# KiCad board poly_kb_molecule_7x5_wave_left.kicad_pcb (continued)
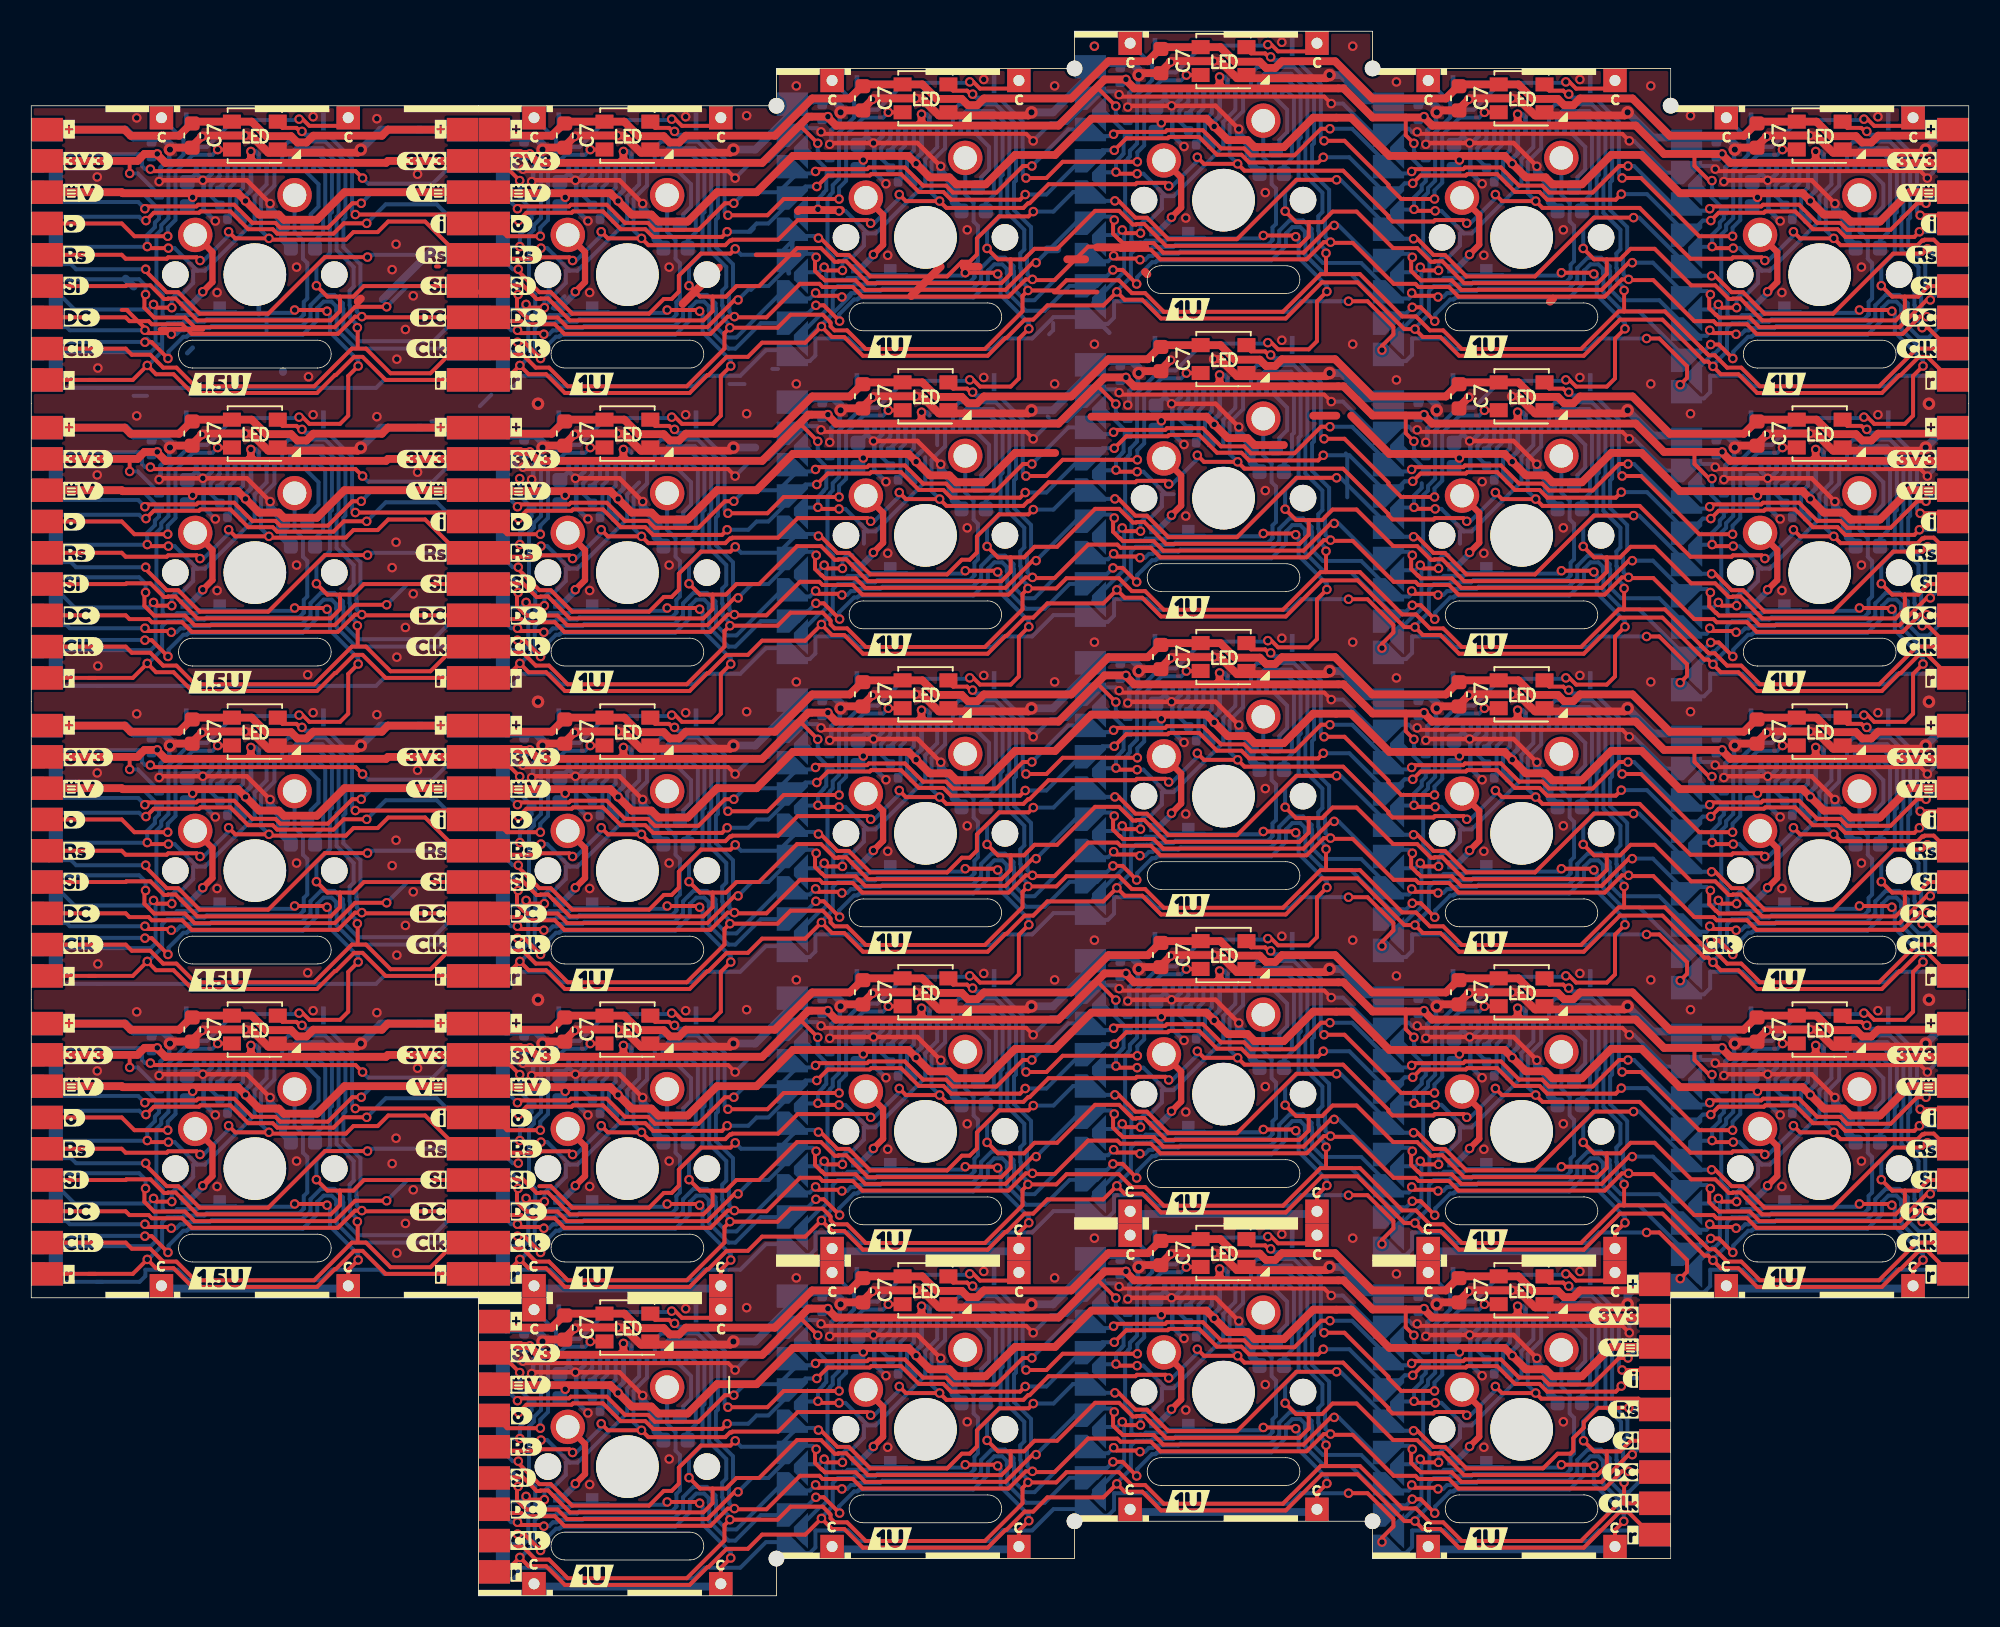
[diagram p0: board, top side]
## Placement (name value [footprint] x y rotation side) (continued)
J4#5  EastFront  [AtomConnect2]  103.76 11.91 270 top
J4#6  EastFront  [AtomConnect2]  122.81 85.72 270 top
J4#7  EastFront  [AtomConnect2]  27.56 47.63 270 top
J4#8  EastFront  [AtomConnect2]  27.56 28.58 270 top
J4#9  EastFront  [AtomConnect2]  27.56 85.73 270 top
J5  WestBack  [AtomConnectCS]  29.59 85.72 270 bottom
J5#2  WestBack  [AtomConnectCS]  1.02 28.58 270 bottom
J5#3  WestBack  [AtomConnectCS]  48.64 87.36 270 bottom
J5#4  WestBack  [AtomConnectCS]  67.69 89.74 270 bottom
J5#5  WestBack  [AtomConnectCS]  1.02 66.68 270 bottom
J5#6  WestBack  [AtomConnectCS]  105.79 84.97 270 bottom
J5#7  WestBack  [AtomConnectCS]  86.74 87.36 270 bottom
J5#8  WestBack  [AtomConnectCS]  67.69 13.54 270 bottom
J5#9  WestBack  [AtomConnectCS]  48.64 30.21 270 bottom
J5#10  WestBack  [AtomConnectCS]  48.64 68.31 270 bottom
J5#11  WestBack  [AtomConnectCS]  67.69 32.59 270 bottom
J5#12  WestBack  [AtomConnectCS]  29.59 47.62 270 bottom
J5#13  WestBack  [AtomConnectCS]  67.69 51.64 270 bottom
J5#14  WestBack  [AtomConnectCS]  86.74 68.31 270 bottom
J5#15  WestBack  [AtomConnectCS]  1.02 85.73 270 bottom
J5#16  WestBack  [AtomConnectCS]  105.79 27.83 270 bottom
J5#17  WestBack  [AtomConnectCS]  29.59 66.67 270 bottom
J5#18  WestBack  [AtomConnectCS]  29.59 9.52 270 bottom
J5#19  WestBack  [AtomConnectCS]  86.74 49.26 270 bottom
J5#20  WestBack  [AtomConnectCS]  86.74 30.21 270 bottom
J5#21  WestBack  [AtomConnectCS]  105.79 46.88 270 bottom
J5#22  WestBack  [AtomConnectCS]  29.59 28.58 270 bottom
J5#23  WestBack  [AtomConnectCS]  48.64 11.16 270 bottom
J5#24  WestBack  [AtomConnectCS]  1.02 47.63 270 bottom
J5#25  WestBack  [AtomConnectCS]  48.64 49.26 270 bottom
J5#26  WestBack  [AtomConnectCS]  86.74 11.16 270 bottom
J5#27  WestBack  [AtomConnectCS]  105.79 65.92 270 bottom
J5#28  WestBack  [AtomConnectCS]  67.69 70.69 270 bottom
J6  EastBack  [AtomConnect2]  27.56 47.63 270 bottom
J6#2  EastBack  [AtomConnect2]  27.56 85.73 270 bottom
J6#3  EastBack  [AtomConnect2]  122.81 85.72 270 bottom
J6#4  EastBack  [AtomConnect2]  27.56 28.58 270 bottom
J6#5  EastBack  [AtomConnect2]  27.56 66.68 270 bottom
J6#6  EastBack  [AtomConnect2]  122.81 28.58 270 bottom
J6#7  EastBack  [AtomConnect2]  122.81 47.62 270 bottom
J6#8  EastBack  [AtomConnect2]  103.76 11.91 270 bottom
J6#9  EastBack  [AtomConnect2]  122.81 66.67 270 bottom
J7  South  [TestPoin_1.5x1.5mm_Drill0.7mm]  51.18 3.14 0 top
J7#2  South  [TestPoin_1.5x1.5mm_Drill0.7mm]  108.33 19.81 0 top
J7#3  South  [TestPoin_1.5x1.5mm_Drill0.7mm]  70.23 5.52 0 top
J7#4  South  [TestPoin_1.5x1.5mm_Drill0.7mm]  8.32 19.81 0 top
J7#5  South  [TestPoin_1.5x1.5mm_Drill0.7mm]  32.13 0.76 0 top
J7#6  South  [TestPoin_1.5x1.5mm_Drill0.7mm]  70.23 24.57 0 top
J7#7  South  [TestPoin_1.5x1.5mm_Drill0.7mm]  89.28 3.14 0 top
J7#8  South  [TestPoin_1.5x1.5mm_Drill0.7mm]  89.28 22.19 0 top
J7#9  South  [TestPoin_1.5x1.5mm_Drill0.7mm]  32.13 19.81 0 top
J7#10  South  [TestPoin_1.5x1.5mm_Drill0.7mm]  51.18 22.19 0 top
J8  North2  [TestPoin_1.5x1.5mm_Drill0.7mm]  32.13 94.49 0 top
J8#2  North2  [TestPoin_1.5x1.5mm_Drill0.7mm]  8.32 94.49 0 top
J8#3  North2  [TestPoin_1.5x1.5mm_Drill0.7mm]  108.33 94.49 0 top
J8#4  North2  [TestPoin_1.5x1.5mm_Drill0.7mm]  51.18 20.67 0 top
J8#5  North2  [TestPoin_1.5x1.5mm_Drill0.7mm]  70.23 99.25 0 top
J8#6  North2  [TestPoin_1.5x1.5mm_Drill0.7mm]  32.13 18.29 0 top
J8#7  North2  [TestPoin_1.5x1.5mm_Drill0.7mm]  89.28 20.67 0 top
J8#8  North2  [TestPoin_1.5x1.5mm_Drill0.7mm]  70.23 23.05 0 top
J8#9  North2  [TestPoin_1.5x1.5mm_Drill0.7mm]  89.28 96.87 0 top
J8#10  North2  [TestPoin_1.5x1.5mm_Drill0.7mm]  51.18 96.87 0 top
J9  South2  [TestPoin_1.5x1.5mm_Drill0.7mm]  44.07 19.81 0 top
J9#2  South2  [TestPoin_1.5x1.5mm_Drill0.7mm]  101.22 22.19 0 top
J9#3  South2  [TestPoin_1.5x1.5mm_Drill0.7mm]  20.26 19.81 0 top
J9#4  South2  [TestPoin_1.5x1.5mm_Drill0.7mm]  120.27 19.81 0 top
J9#5  South2  [TestPoin_1.5x1.5mm_Drill0.7mm]  63.12 3.14 0 top
J9#6  South2  [TestPoin_1.5x1.5mm_Drill0.7mm]  101.22 3.14 0 top
J9#7  South2  [TestPoin_1.5x1.5mm_Drill0.7mm]  82.17 24.57 0 top
J9#8  South2  [TestPoin_1.5x1.5mm_Drill0.7mm]  82.17 5.52 0 top
J9#9  South2  [TestPoin_1.5x1.5mm_Drill0.7mm]  63.12 22.19 0 top
J9#10  South2  [TestPoin_1.5x1.5mm_Drill0.7mm]  44.07 0.76 0 top
kibuzzard-61EFA8F1  G***  [kibuzzard-61EFA8F1]  120.5 41.63 0 top
kibuzzard-61EFA8F1#2  G***  [kibuzzard-61EFA8F1]  25.25 60.68 0 top
kibuzzard-61EFA8F1#3  G***  [kibuzzard-61EFA8F1]  101.45 5.91 0 top
kibuzzard-61EFA8F1#4  G***  [kibuzzard-61EFA8F1]  25.25 41.63 0 top
kibuzzard-61EFA8F1#5  G***  [kibuzzard-61EFA8F1]  120.5 79.73 0 top
kibuzzard-61EFA8F1#6  G***  [kibuzzard-61EFA8F1]  25.25 79.73 0 top
kibuzzard-61EFA8F1#7  G***  [kibuzzard-61EFA8F1]  25.25 22.58 0 top
kibuzzard-61EFA8F1#8  G***  [kibuzzard-61EFA8F1]  120.5 60.68 0 top
kibuzzard-61EFA8F1#9  G***  [kibuzzard-61EFA8F1]  120.5 22.58 0 top
kibuzzard-61EFAA6D  G***  [kibuzzard-61EFAA6D]  120.8 28.58 0 top
kibuzzard-61EFAA6D#2  G***  [kibuzzard-61EFAA6D]  101.75 11.91 0 top
kibuzzard-61EFAA6D#3  G***  [kibuzzard-61EFAA6D]  25.55 47.63 0 top
kibuzzard-61EFAA6D#4  G***  [kibuzzard-61EFAA6D]  25.55 66.68 0 top
kibuzzard-61EFAA6D#5  G***  [kibuzzard-61EFAA6D]  120.8 85.72 0 top
kibuzzard-61EFAA6D#6  G***  [kibuzzard-61EFAA6D]  120.8 47.62 0 top
kibuzzard-61EFAA6D#7  G***  [kibuzzard-61EFAA6D]  25.55 28.58 0 top
kibuzzard-61EFAA6D#8  G***  [kibuzzard-61EFAA6D]  120.8 66.67 0 top
kibuzzard-61EFAA6D#9  G***  [kibuzzard-61EFAA6D]  25.55 85.73 0 top
kibuzzard-61EFABBF  G***  [kibuzzard-61EFABBF]  120.6 62.66 0 top
kibuzzard-61EFABBF#2  G***  [kibuzzard-61EFABBF]  120.6 81.71 0 top
kibuzzard-61EFABBF#3  G***  [kibuzzard-61EFABBF]  25.35 43.61 0 top
kibuzzard-61EFABBF#4  G***  [kibuzzard-61EFABBF]  25.35 81.71 0 top
kibuzzard-61EFABBF#5  G***  [kibuzzard-61EFABBF]  25.35 24.56 0 top
kibuzzard-61EFABBF#6  G***  [kibuzzard-61EFABBF]  120.6 43.61 0 top
kibuzzard-61EFABBF#7  G***  [kibuzzard-61EFABBF]  25.35 62.66 0 top
kibuzzard-61EFABBF#8  G***  [kibuzzard-61EFABBF]  101.55 7.89 0 top
kibuzzard-61EFABBF#9  G***  [kibuzzard-61EFABBF]  120.6 24.56 0 top
kibuzzard-61EFACF9  G***  [kibuzzard-61EFACF9]  24.74 32.54 0 top
kibuzzard-61EFACF9#2  G***  [kibuzzard-61EFACF9]  119.99 32.54 0 top
kibuzzard-61EFACF9#3  G***  [kibuzzard-61EFACF9]  24.74 70.64 0 top
kibuzzard-61EFACF9#4  G***  [kibuzzard-61EFACF9]  100.94 15.87 0 top
kibuzzard-61EFACF9#5  G***  [kibuzzard-61EFACF9]  119.99 51.59 0 top
kibuzzard-61EFACF9#6  G***  [kibuzzard-61EFACF9]  24.74 89.69 0 top
kibuzzard-61EFACF9#7  G***  [kibuzzard-61EFACF9]  24.74 51.59 0 top
kibuzzard-61EFACF9#8  G***  [kibuzzard-61EFACF9]  119.99 70.64 0 top
kibuzzard-61EFACF9#9  G***  [kibuzzard-61EFACF9]  119.99 89.69 0 top
kibuzzard-61EFBE2C  G***  [kibuzzard-61EFBE2C]  3.23 81.71 0 top
kibuzzard-61EFBE2C#2  G***  [kibuzzard-61EFBE2C]  31.8 24.56 0 top
kibuzzard-61EFBE2C#3  G***  [kibuzzard-61EFBE2C]  31.8 62.66 0 top
kibuzzard-61EFBE2C#4  G***  [kibuzzard-61EFBE2C]  31.8 81.71 0 top
kibuzzard-61EFBE2C#5  G***  [kibuzzard-61EFBE2C]  3.23 24.56 0 top
kibuzzard-61EFBE2C#6  G***  [kibuzzard-61EFBE2C]  3.23 43.61 0 top
kibuzzard-61EFBE2C#7  G***  [kibuzzard-61EFBE2C]  31.8 5.51 0 top
kibuzzard-61EFBE2C#8  G***  [kibuzzard-61EFBE2C]  31.8 43.61 0 top
kibuzzard-61EFBE2C#9  G***  [kibuzzard-61EFBE2C]  3.23 62.66 0 top
kibuzzard-61EFBE3D  G***  [kibuzzard-61EFBE3D]  3.33 22.58 0 top
kibuzzard-61EFBE3D#2  G***  [kibuzzard-61EFBE3D]  31.9 3.53 0 top
kibuzzard-61EFBE3D#3  G***  [kibuzzard-61EFBE3D]  3.33 60.68 0 top
kibuzzard-61EFBE3D#4  G***  [kibuzzard-61EFBE3D]  3.33 41.63 0 top
kibuzzard-61EFBE3D#5  G***  [kibuzzard-61EFBE3D]  31.9 41.63 0 top
kibuzzard-61EFBE3D#6  G***  [kibuzzard-61EFBE3D]  31.9 22.58 0 top
kibuzzard-61EFBE3D#7  G***  [kibuzzard-61EFBE3D]  3.33 79.73 0 top
kibuzzard-61EFBE3D#8  G***  [kibuzzard-61EFBE3D]  31.9 60.68 0 top
kibuzzard-61EFBE3D#9  G***  [kibuzzard-61EFBE3D]  108.1 41.63 0 top
kibuzzard-61EFBE3D#10  G***  [kibuzzard-61EFBE3D]  31.9 79.73 0 top
kibuzzard-61EFBE21  G***  [kibuzzard-61EFBE21]  2.87 45.64 0 top
kibuzzard-61EFBE21#2  G***  [kibuzzard-61EFBE21]  31.45 7.54 0 top
kibuzzard-61EFBE21#3  G***  [kibuzzard-61EFBE21]  2.87 64.69 0 top
kibuzzard-61EFBE21#4  G***  [kibuzzard-61EFBE21]  2.87 83.74 0 top
kibuzzard-61EFBE21#5  G***  [kibuzzard-61EFBE21]  31.45 26.59 0 top
kibuzzard-61EFBE21#6  G***  [kibuzzard-61EFBE21]  31.45 45.64 0 top
kibuzzard-61EFBE21#7  G***  [kibuzzard-61EFBE21]  2.87 26.59 0 top
kibuzzard-61EFBE21#8  G***  [kibuzzard-61EFBE21]  31.45 83.74 0 top
kibuzzard-61EFBE21#9  G***  [kibuzzard-61EFBE21]  31.45 64.69 0 top
kibuzzard-61EFBE87  G***  [kibuzzard-61EFBE87]  32.41 89.69 0 top
kibuzzard-61EFBE87#2  G***  [kibuzzard-61EFBE87]  32.41 70.64 0 top
kibuzzard-61EFBE87#3  G***  [kibuzzard-61EFBE87]  32.41 32.54 0 top
kibuzzard-61EFBE87#4  G***  [kibuzzard-61EFBE87]  32.41 51.59 0 top
kibuzzard-61EFBE87#5  G***  [kibuzzard-61EFBE87]  3.84 89.69 0 top
kibuzzard-61EFBE87#6  G***  [kibuzzard-61EFBE87]  32.41 13.49 0 top
kibuzzard-61EFBE87#7  G***  [kibuzzard-61EFBE87]  3.84 32.54 0 top
kibuzzard-61EFBE87#8  G***  [kibuzzard-61EFBE87]  3.84 70.64 0 top
kibuzzard-61EFBE87#9  G***  [kibuzzard-61EFBE87]  3.84 51.59 0 top
kibuzzard-61EFD7F9  G***  [kibuzzard-61EFD7F9]  120.95 83.74 0 top
kibuzzard-61EFD7F9#2  G***  [kibuzzard-61EFD7F9]  25.7 64.69 0 top
kibuzzard-61EFD7F9#3  G***  [kibuzzard-61EFD7F9]  120.95 64.69 0 top
kibuzzard-61EFD7F9#4  G***  [kibuzzard-61EFD7F9]  25.7 26.59 0 top
kibuzzard-61EFD7F9#5  G***  [kibuzzard-61EFD7F9]  25.7 83.74 0 top
kibuzzard-61EFD7F9#6  G***  [kibuzzard-61EFD7F9]  120.95 45.64 0 top
kibuzzard-61EFD7F9#7  G***  [kibuzzard-61EFD7F9]  120.95 26.59 0 top
kibuzzard-61EFD7F9#8  G***  [kibuzzard-61EFD7F9]  101.9 9.93 0 top
kibuzzard-61EFD7F9#9  G***  [kibuzzard-61EFD7F9]  25.7 45.64 0 top
kibuzzard-61EFD863  G***  [kibuzzard-61EFD863]  120.19 72.67 0 top
kibuzzard-61EFD863#2  G***  [kibuzzard-61EFD863]  24.94 72.67 0 top
kibuzzard-61EFD863#3  G***  [kibuzzard-61EFD863]  24.94 91.72 0 top
kibuzzard-61EFD863#4  G***  [kibuzzard-61EFD863]  24.94 34.57 0 top
kibuzzard-61EFD863#5  G***  [kibuzzard-61EFD863]  24.94 53.62 0 top
kibuzzard-61EFD863#6  G***  [kibuzzard-61EFD863]  120.19 91.72 0 top
kibuzzard-61EFD863#7  G***  [kibuzzard-61EFD863]  120.19 53.62 0 top
kibuzzard-61EFD863#8  G***  [kibuzzard-61EFD863]  101.14 17.9 0 top
kibuzzard-61EFD863#9  G***  [kibuzzard-61EFD863]  120.19 34.57 0 top
kibuzzard-61EFD879  G***  [kibuzzard-61EFD879]  3.64 72.66 0 top
kibuzzard-61EFD879#2  G***  [kibuzzard-61EFD879]  32.22 53.61 0 top
kibuzzard-61EFD879#3  G***  [kibuzzard-61EFD879]  3.64 34.56 0 top
kibuzzard-61EFD879#4  G***  [kibuzzard-61EFD879]  3.64 91.71 0 top
kibuzzard-61EFD879#5  G***  [kibuzzard-61EFD879]  32.22 91.71 0 top
kibuzzard-61EFD879#6  G***  [kibuzzard-61EFD879]  32.22 15.51 0 top
kibuzzard-61EFD879#7  G***  [kibuzzard-61EFD879]  32.22 34.56 0 top
kibuzzard-61EFD879#8  G***  [kibuzzard-61EFD879]  32.22 72.66 0 top
kibuzzard-61EFD879#9  G***  [kibuzzard-61EFD879]  3.64 53.61 0 top
kibuzzard-61EFD908  G***  [kibuzzard-61EFD908]  30.99 77.7 0 top
kibuzzard-61EFD908#2  G***  [kibuzzard-61EFD908]  26.16 77.7 0 top
kibuzzard-61EFD908#3  G***  [kibuzzard-61EFD908]  102.36 3.88 0 top
kibuzzard-61EFD908#4  G***  [kibuzzard-61EFD908]  121.41 58.65 0 top
kibuzzard-61EFD908#5  G***  [kibuzzard-61EFD908]  2.41 39.6 0 top
kibuzzard-61EFD908#6  G***  [kibuzzard-61EFD908]  121.41 20.55 0 top
kibuzzard-61EFD908#7  G***  [kibuzzard-61EFD908]  2.41 58.65 0 top
kibuzzard-61EFD908#8  G***  [kibuzzard-61EFD908]  121.41 77.7 0 top
kibuzzard-61EFD908#9  G***  [kibuzzard-61EFD908]  26.16 58.65 0 top
kibuzzard-61EFD908#10  G***  [kibuzzard-61EFD908]  30.99 1.5 0 top
kibuzzard-61EFD908#11  G***  [kibuzzard-61EFD908]  121.41 39.6 0 top
kibuzzard-61EFD908#12  G***  [kibuzzard-61EFD908]  26.16 39.6 0 top
kibuzzard-61EFD908#13  G***  [kibuzzard-61EFD908]  2.41 77.7 0 top
kibuzzard-61EFD908#14  G***  [kibuzzard-61EFD908]  30.99 58.65 0 top
kibuzzard-61EFD908#15  G***  [kibuzzard-61EFD908]  30.99 39.6 0 top
kibuzzard-61EFD908#16  G***  [kibuzzard-61EFD908]  2.41 20.55 0 top
kibuzzard-61EFD908#17  G***  [kibuzzard-61EFD908]  30.99 20.55 0 top
kibuzzard-61EFD908#18  G***  [kibuzzard-61EFD908]  26.16 20.55 0 top
kibuzzard-61EFD947  G***  [kibuzzard-61EFD947]  26.16 36.6 0 top
kibuzzard-61EFD947#2  G***  [kibuzzard-61EFD947]  26.16 74.7 0 top
kibuzzard-61EFD947#3  G***  [kibuzzard-61EFD947]  121.41 93.75 0 top
kibuzzard-61EFD947#4  G***  [kibuzzard-61EFD947]  121.41 36.6 0 top
kibuzzard-61EFD947#5  G***  [kibuzzard-61EFD947]  30.99 17.55 0 top
kibuzzard-61EFD947#6  G***  [kibuzzard-61EFD947]  30.99 55.65 0 top
kibuzzard-61EFD947#7  G***  [kibuzzard-61EFD947]  102.36 19.93 0 top
kibuzzard-61EFD947#8  G***  [kibuzzard-61EFD947]  30.99 36.6 0 top
kibuzzard-61EFD947#9  G***  [kibuzzard-61EFD947]  2.41 74.7 0 top
kibuzzard-61EFD947#10  G***  [kibuzzard-61EFD947]  2.41 55.65 0 top
kibuzzard-61EFD947#11  G***  [kibuzzard-61EFD947]  30.99 74.7 0 top
kibuzzard-61EFD947#12  G***  [kibuzzard-61EFD947]  26.16 93.75 0 top
kibuzzard-61EFD947#13  G***  [kibuzzard-61EFD947]  2.41 36.6 0 top
kibuzzard-61EFD947#14  G***  [kibuzzard-61EFD947]  30.99 93.75 0 top
kibuzzard-61EFD947#15  G***  [kibuzzard-61EFD947]  26.16 55.65 0 top
kibuzzard-61EFD947#16  G***  [kibuzzard-61EFD947]  121.41 55.65 0 top
kibuzzard-61EFD947#17  G***  [kibuzzard-61EFD947]  121.41 74.7 0 top
kibuzzard-61EFD947#18  G***  [kibuzzard-61EFD947]  2.41 93.75 0 top
kibuzzard-61EFDAA0  G***  [kibuzzard-61EFDAA0]  2.77 49.61 0 top
kibuzzard-61EFDAA0#2  G***  [kibuzzard-61EFDAA0]  31.34 30.56 0 top
kibuzzard-61EFDAA0#3  G***  [kibuzzard-61EFDAA0]  31.34 87.71 0 top
kibuzzard-61EFDAA0#4  G***  [kibuzzard-61EFDAA0]  2.77 68.66 0 top
kibuzzard-61EFDAA0#5  G***  [kibuzzard-61EFDAA0]  31.34 49.61 0 top
kibuzzard-61EFDAA0#6  G***  [kibuzzard-61EFDAA0]  2.77 87.71 0 top
kibuzzard-61EFDAA0#7  G***  [kibuzzard-61EFDAA0]  2.77 30.56 0 top
kibuzzard-61EFDAA0#8  G***  [kibuzzard-61EFDAA0]  31.34 68.66 0 top
kibuzzard-61EFDAA0#9  G***  [kibuzzard-61EFDAA0]  31.34 11.51 0 top
kibuzzard-61EFDAC6  G***  [kibuzzard-61EFDAC6]  121.36 30.56 0 top
kibuzzard-61EFDAC6#2  G***  [kibuzzard-61EFDAC6]  121.36 87.71 0 top
kibuzzard-61EFDAC6#3  G***  [kibuzzard-61EFDAC6]  121.36 68.66 0 top
kibuzzard-61EFDAC6#4  G***  [kibuzzard-61EFDAC6]  26.11 87.71 0 top
kibuzzard-61EFDAC6#5  G***  [kibuzzard-61EFDAC6]  121.36 49.61 0 top
kibuzzard-61EFDAC6#6  G***  [kibuzzard-61EFDAC6]  102.31 13.89 0 top
kibuzzard-61EFDAC6#7  G***  [kibuzzard-61EFDAC6]  26.11 49.61 0 top
kibuzzard-61EFDAC6#8  G***  [kibuzzard-61EFDAC6]  26.11 30.56 0 top
kibuzzard-61EFDAC6#9  G***  [kibuzzard-61EFDAC6]  26.11 68.66 0 top
kibuzzard-61EFDAEE  G***  [kibuzzard-61EFDAEE]  3.05 66.68 0 top
kibuzzard-61EFDAEE#2  G***  [kibuzzard-61EFDAEE]  31.63 47.63 0 top
kibuzzard-61EFDAEE#3  G***  [kibuzzard-61EFDAEE]  3.05 85.73 0 top
kibuzzard-61EFDAEE#4  G***  [kibuzzard-61EFDAEE]  3.05 28.58 0 top
kibuzzard-61EFDAEE#5  G***  [kibuzzard-61EFDAEE]  31.63 66.68 0 top
kibuzzard-61EFDAEE#6  G***  [kibuzzard-61EFDAEE]  31.63 85.73 0 top
kibuzzard-61EFDAEE#7  G***  [kibuzzard-61EFDAEE]  31.63 9.53 0 top
kibuzzard-61EFDAEE#8  G***  [kibuzzard-61EFDAEE]  3.05 47.63 0 top
kibuzzard-61EFDAEE#9  G***  [kibuzzard-61EFDAEE]  31.63 28.58 0 top
kibuzzard-61EFDD1E  G***  [kibuzzard-61EFDD1E]  35.81 39.37 0 top
kibuzzard-61EFDD1E#2  G***  [kibuzzard-61EFDD1E]  92.96 22.7 0 top
kibuzzard-61EFDD1E#3  G***  [kibuzzard-61EFDD1E]  92.96 41.75 0 top
kibuzzard-61EFDD1E#4  G***  [kibuzzard-61EFDD1E]  35.81 1.27 0 top
kibuzzard-61EFDD1E#5  G***  [kibuzzard-61EFDD1E]  112.01 58.42 0 top
kibuzzard-61EFDD1E#6  G***  [kibuzzard-61EFDD1E]  35.81 77.47 0 top
kibuzzard-61EFDD1E#7  G***  [kibuzzard-61EFDD1E]  35.81 20.32 0 top
kibuzzard-61EFDD1E#8  G***  [kibuzzard-61EFDD1E]  92.96 60.8 0 top
kibuzzard-61EFDD1E#9  G***  [kibuzzard-61EFDD1E]  54.86 60.8 0 top
kibuzzard-61EFDD1E#10  G***  [kibuzzard-61EFDD1E]  92.96 79.85 0 top
kibuzzard-61EFDD1E#11  G***  [kibuzzard-61EFDD1E]  35.81 58.42 0 top
kibuzzard-61EFDD1E#12  G***  [kibuzzard-61EFDD1E]  92.96 3.65 0 top
kibuzzard-61EFDD1E#13  G***  [kibuzzard-61EFDD1E]  73.91 25.08 0 top
kibuzzard-61EFDD1E#14  G***  [kibuzzard-61EFDD1E]  54.86 79.85 0 top
kibuzzard-61EFDD1E#15  G***  [kibuzzard-61EFDD1E]  54.86 3.65 0 top
kibuzzard-61EFDD1E#16  G***  [kibuzzard-61EFDD1E]  73.91 63.18 0 top
kibuzzard-61EFDD1E#17  G***  [kibuzzard-61EFDD1E]  112.01 20.32 0 top
kibuzzard-61EFDD1E#18  G***  [kibuzzard-61EFDD1E]  73.91 6.03 0 top
kibuzzard-61EFDD1E#19  G***  [kibuzzard-61EFDD1E]  73.91 44.13 0 top
kibuzzard-61EFDD1E#20  G***  [kibuzzard-61EFDD1E]  54.86 41.75 0 top
kibuzzard-61EFDD1E#21  G***  [kibuzzard-61EFDD1E]  54.86 22.7 0 top
kibuzzard-61EFDD1E#22  G***  [kibuzzard-61EFDD1E]  112.01 39.37 0 top
kibuzzard-61EFDD1E#23  G***  [kibuzzard-61EFDD1E]  73.91 82.23 0 top
kibuzzard-61EFDD1E#24  G***  [kibuzzard-61EFDD1E]  112.01 77.47 0 top
kibuzzard-6209778F  G***  [kibuzzard-6209778F]  12.06 77.45 0 top
kibuzzard-6209778F#2  G***  [kibuzzard-6209778F]  12.06 58.4 0 top
kibuzzard-6209778F#3  G***  [kibuzzard-6209778F]  12.06 39.35 0 top
kibuzzard-6209778F#4  G***  [kibuzzard-6209778F]  12.06 20.3 0 top
LED1  -  [WS2812B-Mini]  38.1 93.34 0 top
LED1#2  -  [WS2812B-Mini]  14.29 36.2 0 top
LED1#3  -  [WS2812B-Mini]  114.3 93.34 0 top
LED1#4  -  [WS2812B-Mini]  76.2 21.91 0 top
LED1#5  -  [WS2812B-Mini]  38.1 55.24 0 top
LED1#6  -  [WS2812B-Mini]  114.3 74.29 0 top
LED1#7  -  [WS2812B-Mini]  114.3 36.19 0 top
LED1#8  -  [WS2812B-Mini]  14.29 93.35 0 top
LED1#9  -  [WS2812B-Mini]  95.25 76.68 0 top
LED1#10  -  [WS2812B-Mini]  57.15 57.63 0 top
LED1#11  -  [WS2812B-Mini]  38.1 17.14 0 top
LED1#12  -  [WS2812B-Mini]  76.2 79.06 0 top
LED1#13  -  [WS2812B-Mini]  76.2 98.11 0 top
LED1#14  -  [WS2812B-Mini]  95.25 38.58 0 top
LED1#15  -  [WS2812B-Mini]  57.15 76.68 0 top
LED1#16  -  [WS2812B-Mini]  95.25 19.53 0 top
LED1#17  -  [WS2812B-Mini]  76.2 40.96 0 top
LED1#18  -  [WS2812B-Mini]  57.15 38.58 0 top
LED1#19  -  [WS2812B-Mini]  95.25 57.63 0 top
LED1#20  -  [WS2812B-Mini]  14.29 55.25 0 top
LED1#21  -  [WS2812B-Mini]  57.15 95.73 0 top
LED1#22  -  [WS2812B-Mini]  38.1 36.19 0 top
LED1#23  -  [WS2812B-Mini]  14.29 74.3 0 top
LED1#24  -  [WS2812B-Mini]  95.25 95.73 0 top
LED1#25  -  [WS2812B-Mini]  57.15 19.53 0 top
LED1#26  -  [WS2812B-Mini]  114.3 55.24 0 top
LED1#27  -  [WS2812B-Mini]  38.1 74.29 0 top
LED1#28  -  [WS2812B-Mini]  76.2 60.01 0 top
NOREF  -  [unnamed]  66.67 4.76 0 top
NOREF#2  -  [unnamed]  85.72 97.63 0 top
NOREF#3  -  [unnamed]  66.67 97.63 0 top
NOREF#4  -  [unnamed]  85.72 4.76 0 top
NOREF#5  -  [unnamed]  104.77 95.25 0 top
NOREF#6  -  [unnamed]  47.62 2.38 0 top
NOREF#7  -  [unnamed]  47.62 95.25 0 top
R1  1M  [R_0402_1005Metric]  108.17 50.91 270 bottom
R1#2  1M  [R_0402_1005Metric]  70.08 55.67 270 bottom
R1#3  1M  [R_0402_1005Metric]  31.98 50.91 270 bottom
R1#4  1M  [R_0402_1005Metric]  31.98 31.86 270 bottom
R1#5  1M  [R_0402_1005Metric]  89.12 15.19 270 bottom
R1#6  1M  [R_0402_1005Metric]  108.17 69.96 270 bottom
R1#7  1M  [R_0402_1005Metric]  89.12 72.34 270 bottom
R1#8  1M  [R_0402_1005Metric]  8.16 50.91 270 bottom
R1#9  1M  [R_0402_1005Metric]  51.03 34.24 270 bottom
R1#10  1M  [R_0402_1005Metric]  8.16 69.96 270 bottom
R1#11  1M  [R_0402_1005Metric]  51.03 15.19 270 bottom
R1#12  1M  [R_0402_1005Metric]  70.08 93.77 270 bottom
R1#13  1M  [R_0402_1005Metric]  70.08 17.57 270 bottom
R1#14  1M  [R_0402_1005Metric]  89.12 34.24 270 bottom
R1#15  1M  [R_0402_1005Metric]  108.17 89.01 270 bottom
R1#16  1M  [R_0402_1005Metric]  89.12 91.39 270 bottom
R1#17  1M  [R_0402_1005Metric]  31.98 12.81 270 bottom
R1#18  1M  [R_0402_1005Metric]  108.17 31.86 270 bottom
R1#19  1M  [R_0402_1005Metric]  31.98 89.01 270 bottom
R1#20  1M  [R_0402_1005Metric]  51.03 72.34 270 bottom
R1#21  1M  [R_0402_1005Metric]  70.08 36.62 270 bottom
R1#22  1M  [R_0402_1005Metric]  8.16 31.86 270 bottom
R1#23  1M  [R_0402_1005Metric]  70.08 74.72 270 bottom
R1#24  1M  [R_0402_1005Metric]  31.98 69.96 270 bottom
R1#25  1M  [R_0402_1005Metric]  51.03 91.39 270 bottom
R1#26  1M  [R_0402_1005Metric]  89.12 53.29 270 bottom
R1#27  1M  [R_0402_1005Metric]  8.16 89.01 270 bottom
R1#28  1M  [R_0402_1005Metric]  51.03 53.29 270 bottom
SW1  SW_Push  [SW_Cherry_MX_1.00u_PCB_NoSilk]  40.64 89.53 0 top
SW1#2  SW_Push  [SW_Cherry_MX_1.00u_PCB_NoSilk]  16.83 70.49 0 top
SW1#3  SW_Push  [SW_Cherry_MX_1.00u_PCB_NoSilk]  78.74 94.3 0 top
SW1#4  SW_Push  [SW_Cherry_MX_1.00u_PCB_NoSilk]  116.84 70.48 0 top
SW1#5  SW_Push  [SW_Cherry_MX_1.00u_PCB_NoSilk]  40.64 70.48 0 top
SW1#6  SW_Push  [SW_Cherry_MX_1.00u_PCB_NoSilk]  40.64 13.33 0 top
SW1#7  SW_Push  [SW_Cherry_MX_1.00u_PCB_NoSilk]  59.69 15.72 0 top
SW1#8  SW_Push  [SW_Cherry_MX_1.00u_PCB_NoSilk]  97.79 91.92 0 top
SW1#9  SW_Push  [SW_Cherry_MX_1.00u_PCB_NoSilk]  59.69 91.92 0 top
SW1#10  SW_Push  [SW_Cherry_MX_1.00u_PCB_NoSilk]  40.64 51.44 0 top
SW1#11  SW_Push  [SW_Cherry_MX_1.00u_PCB_NoSilk]  40.64 32.38 0 top
SW1#12  SW_Push  [SW_Cherry_MX_1.00u_PCB_NoSilk]  78.74 37.15 0 top
SW1#13  SW_Push  [SW_Cherry_MX_1.00u_PCB_NoSilk]  97.79 15.72 0 top
SW1#14  SW_Push  [SW_Cherry_MX_1.00u_PCB_NoSilk]  116.84 89.53 0 top
SW1#15  SW_Push  [SW_Cherry_MX_1.00u_PCB_NoSilk]  78.74 75.25 0 top
SW1#16  SW_Push  [SW_Cherry_MX_1.00u_PCB_NoSilk]  16.83 32.39 0 top
SW1#17  SW_Push  [SW_Cherry_MX_1.00u_PCB_NoSilk]  59.69 53.82 0 top
SW1#18  SW_Push  [SW_Cherry_MX_1.00u_PCB_NoSilk]  16.83 51.44 0 top
SW1#19  SW_Push  [SW_Cherry_MX_1.00u_PCB_NoSilk]  97.79 34.77 0 top
SW1#20  SW_Push  [SW_Cherry_MX_1.00u_PCB_NoSilk]  97.79 72.87 0 top
SW1#21  SW_Push  [SW_Cherry_MX_1.00u_PCB_NoSilk]  16.83 89.54 0 top
SW1#22  SW_Push  [SW_Cherry_MX_1.00u_PCB_NoSilk]  78.74 56.2 0 top
SW1#23  SW_Push  [SW_Cherry_MX_1.00u_PCB_NoSilk]  59.69 34.77 0 top
SW1#24  SW_Push  [SW_Cherry_MX_1.00u_PCB_NoSilk]  78.74 18.1 0 top
SW1#25  SW_Push  [SW_Cherry_MX_1.00u_PCB_NoSilk]  116.84 51.44 0 top
SW1#26  SW_Push  [SW_Cherry_MX_1.00u_PCB_NoSilk]  116.84 32.38 0 top
SW1#27  SW_Push  [SW_Cherry_MX_1.00u_PCB_NoSilk]  59.69 72.87 0 top
SW1#28  SW_Push  [SW_Cherry_MX_1.00u_PCB_NoSilk]  97.79 53.82 0 top

## Library data of the parts
C1 C1#2-C1#28 C2 C2#2-C2#28 = -: LCSC: C23630
C3 C3#2-C3#28 C5 C5#2-C5#28 C6 C6#2-C6#28 = -: LCSC: C52923
C4 C4#2-C4#28 C7 C7#2-C7#28 = -: LCSC: C19666
D1 D1#2-D1#28 = -: LCSC: C169468
J1 J1#2-J1#28 = -: LCSC: C561388
LED1 LED1#3-LED1#7 LED1#9-LED1#19 LED1#21 LED1#22 LED1#24-LED1#28 = -: LCSC: C527089
LED1#2 = -: LCSC: C527089; Field5: i; Field6: o; Field7: +; Field8: -
LED1#8 = -: LCSC: C527089; Field5: +; Field6: -; Field7: i; Field8: o
LED1#20 = -: LCSC: C527089; Field5: +; Field6: o; Field7: i; Field8: -
LED1#23 = -: LCSC: C527089; Field5: o; Field6: i; Field7: +; Field8: -

## Footprints (pads in the part's own frame, mm; a bottom-side part is the same pattern mirrored in y, then rotated)
AtomConnect2
  rect 1.5x2 smd: 1(-8,0) 2(-6,0) 3(-4,0) 4(-2,0) 5(0,0) 6(2,0) 7(4,0) 8(6,0) 9(8,0)
AtomConnectCS
  rect 1.5x2 smd: 1(-8,0)
  custom 1.5x2 smd: 2(-6,0.5) 3(-4,0.5) 4(-2,0.5) 5(0,0.5) 6(2,0.5) 7(4,0.5) 8(6,0.5) 9(8,0.5)
  custom 2.3x0.9 smd: 10(-5.5,-0.75) 10(-1.5,-0.75) 10(2.5,-0.75) 10(6.5,-0.75)
C_0402_1005Metric
  rrect 0.56x0.62 smd: 1(-0.48,0) 2(0.48,0)
C_0603_1608Metric
  rrect 0.9x0.95 smd: 1(-0.775,0) 2(0.775,0)
D_SOD-323Ext
  rect 0.8x0.6 smd: 1(-1.05,0) 2(1.05,0)
FPC_16_JUSHUO_AFC05_S16FIA_00
  rect 0.3x1.15 smd: 0(-4.385,-2.81) 0(4.385,-2.81)
  rect 0.3x0.65 smd: 1(-3.75,0) 2(-3.25,0) 3(-2.75,0) 4(-2.25,0) 5(-1.75,0) 6(-1.25,0) 7(-0.75,0) 8(-0.25,0) 9(0.25,0) 10(0.75,0) 11(1.25,0) 12(1.75,0) 13(2.25,0) 14(2.75,0) 15(3.25,0) 16(3.75,0)
R_0402_1005Metric
  rrect 0.54x0.64 smd: 1(-0.51,0) 2(0.51,0)
SW_Cherry_MX_1.00u_PCB_NoSilk
  round 1.7 hole 1.7 unplated: (-7.62,-5.08) (2.54,-5.08)
  round 4 hole 4 unplated: (-2.54,-5.08)
  round 2.2 hole 1.5: 1(0,0) 2(-6.35,-2.54)
TestPoin_1.5x1.5mm_Drill0.7mm
  rect 1.5x1.5 hole 0.7: 1(0,0)
unnamed
  round 1 hole 1 unplated: (0,0)
WS2812B-Mini
  rect 1.15x0.9 smd: 1(-1.465,0.89) 2(-1.465,-0.89) 3(1.465,-0.89) 4(1.465,0.89)

## Nets
/Keyboard/sheet605ED2EB/3V3: C3.1 C3#2.1 C3#3.1 C3#4.1 C3#5.1 C3#6.1 C3#7.1 C3#8.1 C3#9.1 C3#10.1 C3#11.1 C3#12.1 C3#13.1 C3#14.1 C3#15.1 C3#16.1 C3#17.1 C3#18.1 C3#19.1 C3#20.1 C3#21.1 C3#22.1 C3#23.1 C3#24.1 C3#25.1 C3#26.1 C3#27.1 C3#28.1 J1.9 J1#2.9 J1#3.9 J1#4.9 J1#5.9 J1#6.9 J1#7.9 J1#8.9 J1#9.9 J1#10.9 J1#11.9 J1#12.9 J1#13.9 J1#14.9 J1#15.9 J1#16.9 J1#17.9 J1#18.9 J1#19.9 J1#20.9 J1#21.9 J1#22.9 J1#23.9 J1#24.9 J1#25.9 J1#26.9 J1#27.9 J1#28.9 J3.2 J3#2.2 J3#3.2 J3#4.2 J3#5.2 J3#6.2 J3#7.2 J3#8.2 J3#9.2 J4.2 J4#2.2 J4#3.2 J4#4.2 J4#5.2 J4#6.2 J4#7.2 J4#8.2 J4#9.2 R1.1 R1#2.1 R1#3.1 R1#4.1 R1#5.1 R1#6.1 R1#7.1 R1#8.1 R1#9.1 R1#10.1 R1#11.1 R1#12.1 R1#13.1 R1#14.1 R1#15.1 R1#16.1 R1#17.1 R1#18.1 R1#19.1 R1#20.1 R1#21.1 R1#22.1 R1#23.1 R1#24.1 R1#25.1 R1#26.1 R1#27.1 R1#28.1
/Keyboard/sheet605ED2EB/4V2: C2.1 C2#2.1 C2#3.1 C2#4.1 C2#5.1 C2#6.1 C2#7.1 C2#8.1 C2#9.1 C2#10.1 C2#11.1 C2#12.1 C2#13.1 C2#14.1 C2#15.1 C2#16.1 C2#17.1 C2#18.1 C2#19.1 C2#20.1 C2#21.1 C2#22.1 C2#23.1 C2#24.1 C2#25.1 C2#26.1 C2#27.1 C2#28.1 J1.8 J1#2.8 J1#3.8 J1#4.8 J1#5.8 J1#6.8 J1#7.8 J1#8.8 J1#9.8 J1#10.8 J1#11.8 J1#12.8 J1#13.8 J1#14.8 J1#15.8 J1#16.8 J1#17.8 J1#18.8 J1#19.8 J1#20.8 J1#21.8 J1#22.8 J1#23.8 J1#24.8 J1#25.8 J1#26.8 J1#27.8 J1#28.8 J3.3 J3#2.3 J3#3.3 J3#4.3 J3#5.3 J3#6.3 J3#7.3 J3#8.3 J3#9.3 J4.3 J4#2.3 J4#3.3 J4#4.3 J4#5.3 J4#6.3 J4#7.3 J4#8.3 J4#9.3
/Keyboard/sheet605ED2EB/5V: C7.1 C7#2.1 C7#3.1 C7#4.1 C7#5.1 C7#6.1 C7#7.1 C7#8.1 C7#9.1 C7#10.1 C7#11.1 C7#12.1 C7#13.1 C7#14.1 C7#15.1 C7#16.1 C7#17.1 C7#18.1 C7#19.1 C7#20.1 C7#21.1 C7#22.1 C7#23.1 C7#24.1 C7#25.1 C7#26.1 C7#27.1 C7#28.1 J3.1 J3#2.1 J3#3.1 J3#4.1 J3#5.1 J3#6.1 J3#7.1 J3#8.1 J3#9.1 J4.1 J4#2.1 J4#3.1 J4#4.1 J4#5.1 J4#6.1 J4#7.1 J4#8.1 J4#9.1 LED1.1 LED1#2.1 LED1#3.1 LED1#4.1 LED1#5.1 LED1#6.1 LED1#7.1 LED1#8.1 LED1#9.1 LED1#10.1 LED1#11.1 LED1#12.1 LED1#13.1 LED1#14.1 LED1#15.1 LED1#16.1 LED1#17.1 LED1#18.1 LED1#19.1 LED1#20.1 LED1#21.1 LED1#22.1 LED1#23.1 LED1#24.1 LED1#25.1 LED1#26.1 LED1#27.1 LED1#28.1
/Keyboard/sheet605ED2EB/GND: C1.2 C1#2.2 C1#3.2 C1#4.2 C1#5.2 C1#6.2 C1#7.2 C1#8.2 C1#9.2 C1#10.2 C1#11.2 C1#12.2 C1#13.2 C1#14.2 C1#15.2 C1#16.2 C1#17.2 C1#18.2 C1#19.2 C1#20.2 C1#21.2 C1#22.2 C1#23.2 C1#24.2 C1#25.2 C1#26.2 C1#27.2 C1#28.2 C2.2 C2#2.2 C2#3.2 C2#4.2 C2#5.2 C2#6.2 C2#7.2 C2#8.2 C2#9.2 C2#10.2 C2#11.2 C2#12.2 C2#13.2 C2#14.2 C2#15.2 C2#16.2 C2#17.2 C2#18.2 C2#19.2 C2#20.2 C2#21.2 C2#22.2 C2#23.2 C2#24.2 C2#25.2 C2#26.2 C2#27.2 C2#28.2 C3.2 C3#2.2 C3#3.2 C3#4.2 C3#5.2 C3#6.2 C3#7.2 C3#8.2 C3#9.2 C3#10.2 C3#11.2 C3#12.2 C3#13.2 C3#14.2 C3#15.2 C3#16.2 C3#17.2 C3#18.2 C3#19.2 C3#20.2 C3#21.2 C3#22.2 C3#23.2 C3#24.2 C3#25.2 C3#26.2 C3#27.2 C3#28.2 C4.2 C4#2.2 C4#3.2 C4#4.2 C4#5.2 C4#6.2 C4#7.2 C4#8.2 C4#9.2 C4#10.2 C4#11.2 C4#12.2 C4#13.2 C4#14.2 C4#15.2 C4#16.2 C4#17.2 C4#18.2 C4#19.2 C4#20.2 C4#21.2 C4#22.2 C4#23.2 C4#24.2 C4#25.2 C4#26.2 C4#27.2 C4#28.2 C7.2 C7#2.2 C7#3.2 C7#4.2 C7#5.2 C7#6.2 C7#7.2 C7#8.2 C7#9.2 C7#10.2 C7#11.2 C7#12.2 C7#13.2 C7#14.2 C7#15.2 C7#16.2 C7#17.2 C7#18.2 C7#19.2 C7#20.2 C7#21.2 C7#22.2 C7#23.2 C7#24.2 C7#25.2 C7#26.2 C7#27.2 C7#28.2 J1.1 J1.3 J1#2.1 J1#2.3 J1#3.1 J1#3.3 J1#4.1 J1#4.3 J1#5.1 J1#5.3 J1#6.1 J1#6.3 J1#7.1 J1#7.3 J1#8.1 J1#8.3 J1#9.1 J1#9.3 J1#10.1 J1#10.3 J1#11.1 J1#11.3 J1#12.1 J1#12.3 J1#13.1 J1#13.3 J1#14.1 J1#14.3 J1#15.1 J1#15.3 J1#16.1 J1#16.3 J1#17.1 J1#17.3 J1#18.1 J1#18.3 J1#19.1 J1#19.3 J1#20.1 J1#20.3 J1#21.1 J1#21.3 J1#22.1 J1#22.3 J1#23.1 J1#23.3 J1#24.1 J1#24.3 J1#25.1 J1#25.3 J1#26.1 J1#26.3 J1#27.1 J1#27.3 J1#28.1 J1#28.3 J5.1 J5#2.1 J5#3.1 J5#4.1 J5#5.1 J5#6.1 J5#7.1 J5#8.1 J5#9.1 J5#10.1 J5#11.1 J5#12.1 J5#13.1 J5#14.1 J5#15.1 J5#16.1 J5#17.1 J5#18.1 J5#19.1 J5#20.1 J5#21.1 J5#22.1 J5#23.1 J5#24.1 J5#25.1 J5#26.1 J5#27.1 J5#28.1 J6.1 J6#2.1 J6#3.1 J6#4.1 J6#5.1 J6#6.1 J6#7.1 J6#8.1 J6#9.1 LED1.3 LED1#2.3 LED1#3.3 LED1#4.3 LED1#5.3 LED1#6.3 LED1#7.3 LED1#8.3 LED1#9.3 LED1#10.3 LED1#11.3 LED1#12.3 LED1#13.3 LED1#14.3 LED1#15.3 LED1#16.3 LED1#17.3 LED1#18.3 LED1#19.3 LED1#20.3 LED1#21.3 LED1#22.3 LED1#23.3 LED1#24.3 LED1#25.3 LED1#26.3 LED1#27.3 LED1#28.3
/Keyboard/sheet605ED2EB/CS: J1.10 J1#2.10 J1#3.10 J1#4.10 J1#5.10 J1#6.10 J1#7.10 J1#8.10 J1#9.10 J1#10.10 J1#11.10 J1#12.10 J1#13.10 J1#14.10 J1#15.10 J1#16.10 J1#17.10 J1#18.10 J1#19.10 J1#20.10 J1#21.10 J1#22.10 J1#23.10 J1#24.10 J1#25.10 J1#26.10 J1#27.10 J1#28.10 J5.10 J5#2.10 J5#3.10 J5#4.10 J5#5.10 J5#6.10 J5#7.10 J5#8.10 J5#9.10 J5#10.10 J5#11.10 J5#12.10 J5#13.10 J5#14.10 J5#15.10 J5#16.10 J5#17.10 J5#18.10 J5#19.10 J5#20.10 J5#21.10 J5#22.10 J5#23.10 J5#24.10 J5#25.10 J5#26.10 J5#27.10 J5#28.10 R1.2 R1#2.2 R1#3.2 R1#4.2 R1#5.2 R1#6.2 R1#7.2 R1#8.2 R1#9.2 R1#10.2 R1#11.2 R1#12.2 R1#13.2 R1#14.2 R1#15.2 R1#16.2 R1#17.2 R1#18.2 R1#19.2 R1#20.2 R1#21.2 R1#22.2 R1#23.2 R1#24.2 R1#25.2 R1#26.2 R1#27.2 R1#28.2
/Keyboard/sheet605ED2EB/D-C: J1.12 J1#2.12 J1#3.12 J1#4.12 J1#5.12 J1#6.12 J1#7.12 J1#8.12 J1#9.12 J1#10.12 J1#11.12 J1#12.12 J1#13.12 J1#14.12 J1#15.12 J1#16.12 J1#17.12 J1#18.12 J1#19.12 J1#20.12 J1#21.12 J1#22.12 J1#23.12 J1#24.12 J1#25.12 J1#26.12 J1#27.12 J1#28.12 J3.7 J3#2.7 J3#3.7 J3#4.7 J3#5.7 J3#6.7 J3#7.7 J3#8.7 J3#9.7 J4.7 J4#2.7 J4#3.7 J4#4.7 J4#5.7 J4#6.7 J4#7.7 J4#8.7 J4#9.7
/Keyboard/sheet605ED2EB/KeyCol: D1.1 D1#2.1 D1#3.1 D1#4.1 D1#5.1 D1#6.1 D1#7.1 D1#8.1 D1#9.1 D1#10.1 D1#11.1 D1#12.1 D1#13.1 D1#14.1 D1#15.1 D1#16.1 D1#17.1 D1#18.1 D1#19.1 D1#20.1 D1#21.1 D1#22.1 D1#23.1 D1#24.1 D1#25.1 D1#26.1 D1#27.1 D1#28.1 J2.1 J2#2.1 J2#3.1 J2#4.1 J2#5.1 J2#6.1 J2#7.1 J2#8.1 J2#9.1 J2#10.1 J7.1 J7#2.1 J7#3.1 J7#4.1 J7#5.1 J7#6.1 J7#7.1 J7#8.1 J7#9.1 J7#10.1 J8.1 J8#2.1 J8#3.1 J8#4.1 J8#5.1 J8#6.1 J8#7.1 J8#8.1 J8#9.1 J8#10.1 J9.1 J9#2.1 J9#3.1 J9#4.1 J9#5.1 J9#6.1 J9#7.1 J9#8.1 J9#9.1 J9#10.1
/Keyboard/sheet605ED2EB/KeyRow: J3.9 J3#2.9 J3#3.9 J3#4.9 J3#5.9 J3#6.9 J3#7.9 J3#8.9 J3#9.9 J4.9 J4#2.9 J4#3.9 J4#4.9 J4#5.9 J4#6.9 J4#7.9 J4#8.9 J4#9.9 SW1.1 SW1#2.1 SW1#3.1 SW1#4.1 SW1#5.1 SW1#6.1 SW1#7.1 SW1#8.1 SW1#9.1 SW1#10.1 SW1#11.1 SW1#12.1 SW1#13.1 SW1#14.1 SW1#15.1 SW1#16.1 SW1#17.1 SW1#18.1 SW1#19.1 SW1#20.1 SW1#21.1 SW1#22.1 SW1#23.1 SW1#24.1 SW1#25.1 SW1#26.1 SW1#27.1 SW1#28.1
/Keyboard/sheet605ED2EB/LED_DIN: J3.4 J3#2.4 J3#3.4 J3#4.4 J3#5.4 J3#6.4 J3#7.4 J3#8.4 J3#9.4 J4.4 J4#2.4 J4#3.4 J4#4.4 J4#5.4 J4#6.4 J4#7.4 J4#8.4 J4#9.4 LED1.2 LED1.4 LED1#2.2 LED1#2.4 LED1#3.2 LED1#3.4 LED1#4.2 LED1#4.4 LED1#5.2 LED1#5.4 LED1#6.2 LED1#6.4 LED1#7.2 LED1#7.4 LED1#8.2 LED1#8.4 LED1#9.2 LED1#9.4 LED1#10.2 LED1#10.4 LED1#11.2 LED1#11.4 LED1#12.2 LED1#12.4 LED1#13.2 LED1#13.4 LED1#14.2 LED1#14.4 LED1#15.2 LED1#15.4 LED1#16.2 LED1#16.4 LED1#17.2 LED1#17.4 LED1#18.2 LED1#18.4 LED1#19.2 LED1#19.4 LED1#20.2 LED1#20.4 LED1#21.2 LED1#21.4 LED1#22.2 LED1#22.4 LED1#23.2 LED1#23.4 LED1#24.2 LED1#24.4 LED1#25.2 LED1#25.4 LED1#26.2 LED1#26.4 LED1#27.2 LED1#27.4 LED1#28.2 LED1#28.4
